# Altium PCB MDQARM - копия.PcbDoc (part 1 of 2) (continued)
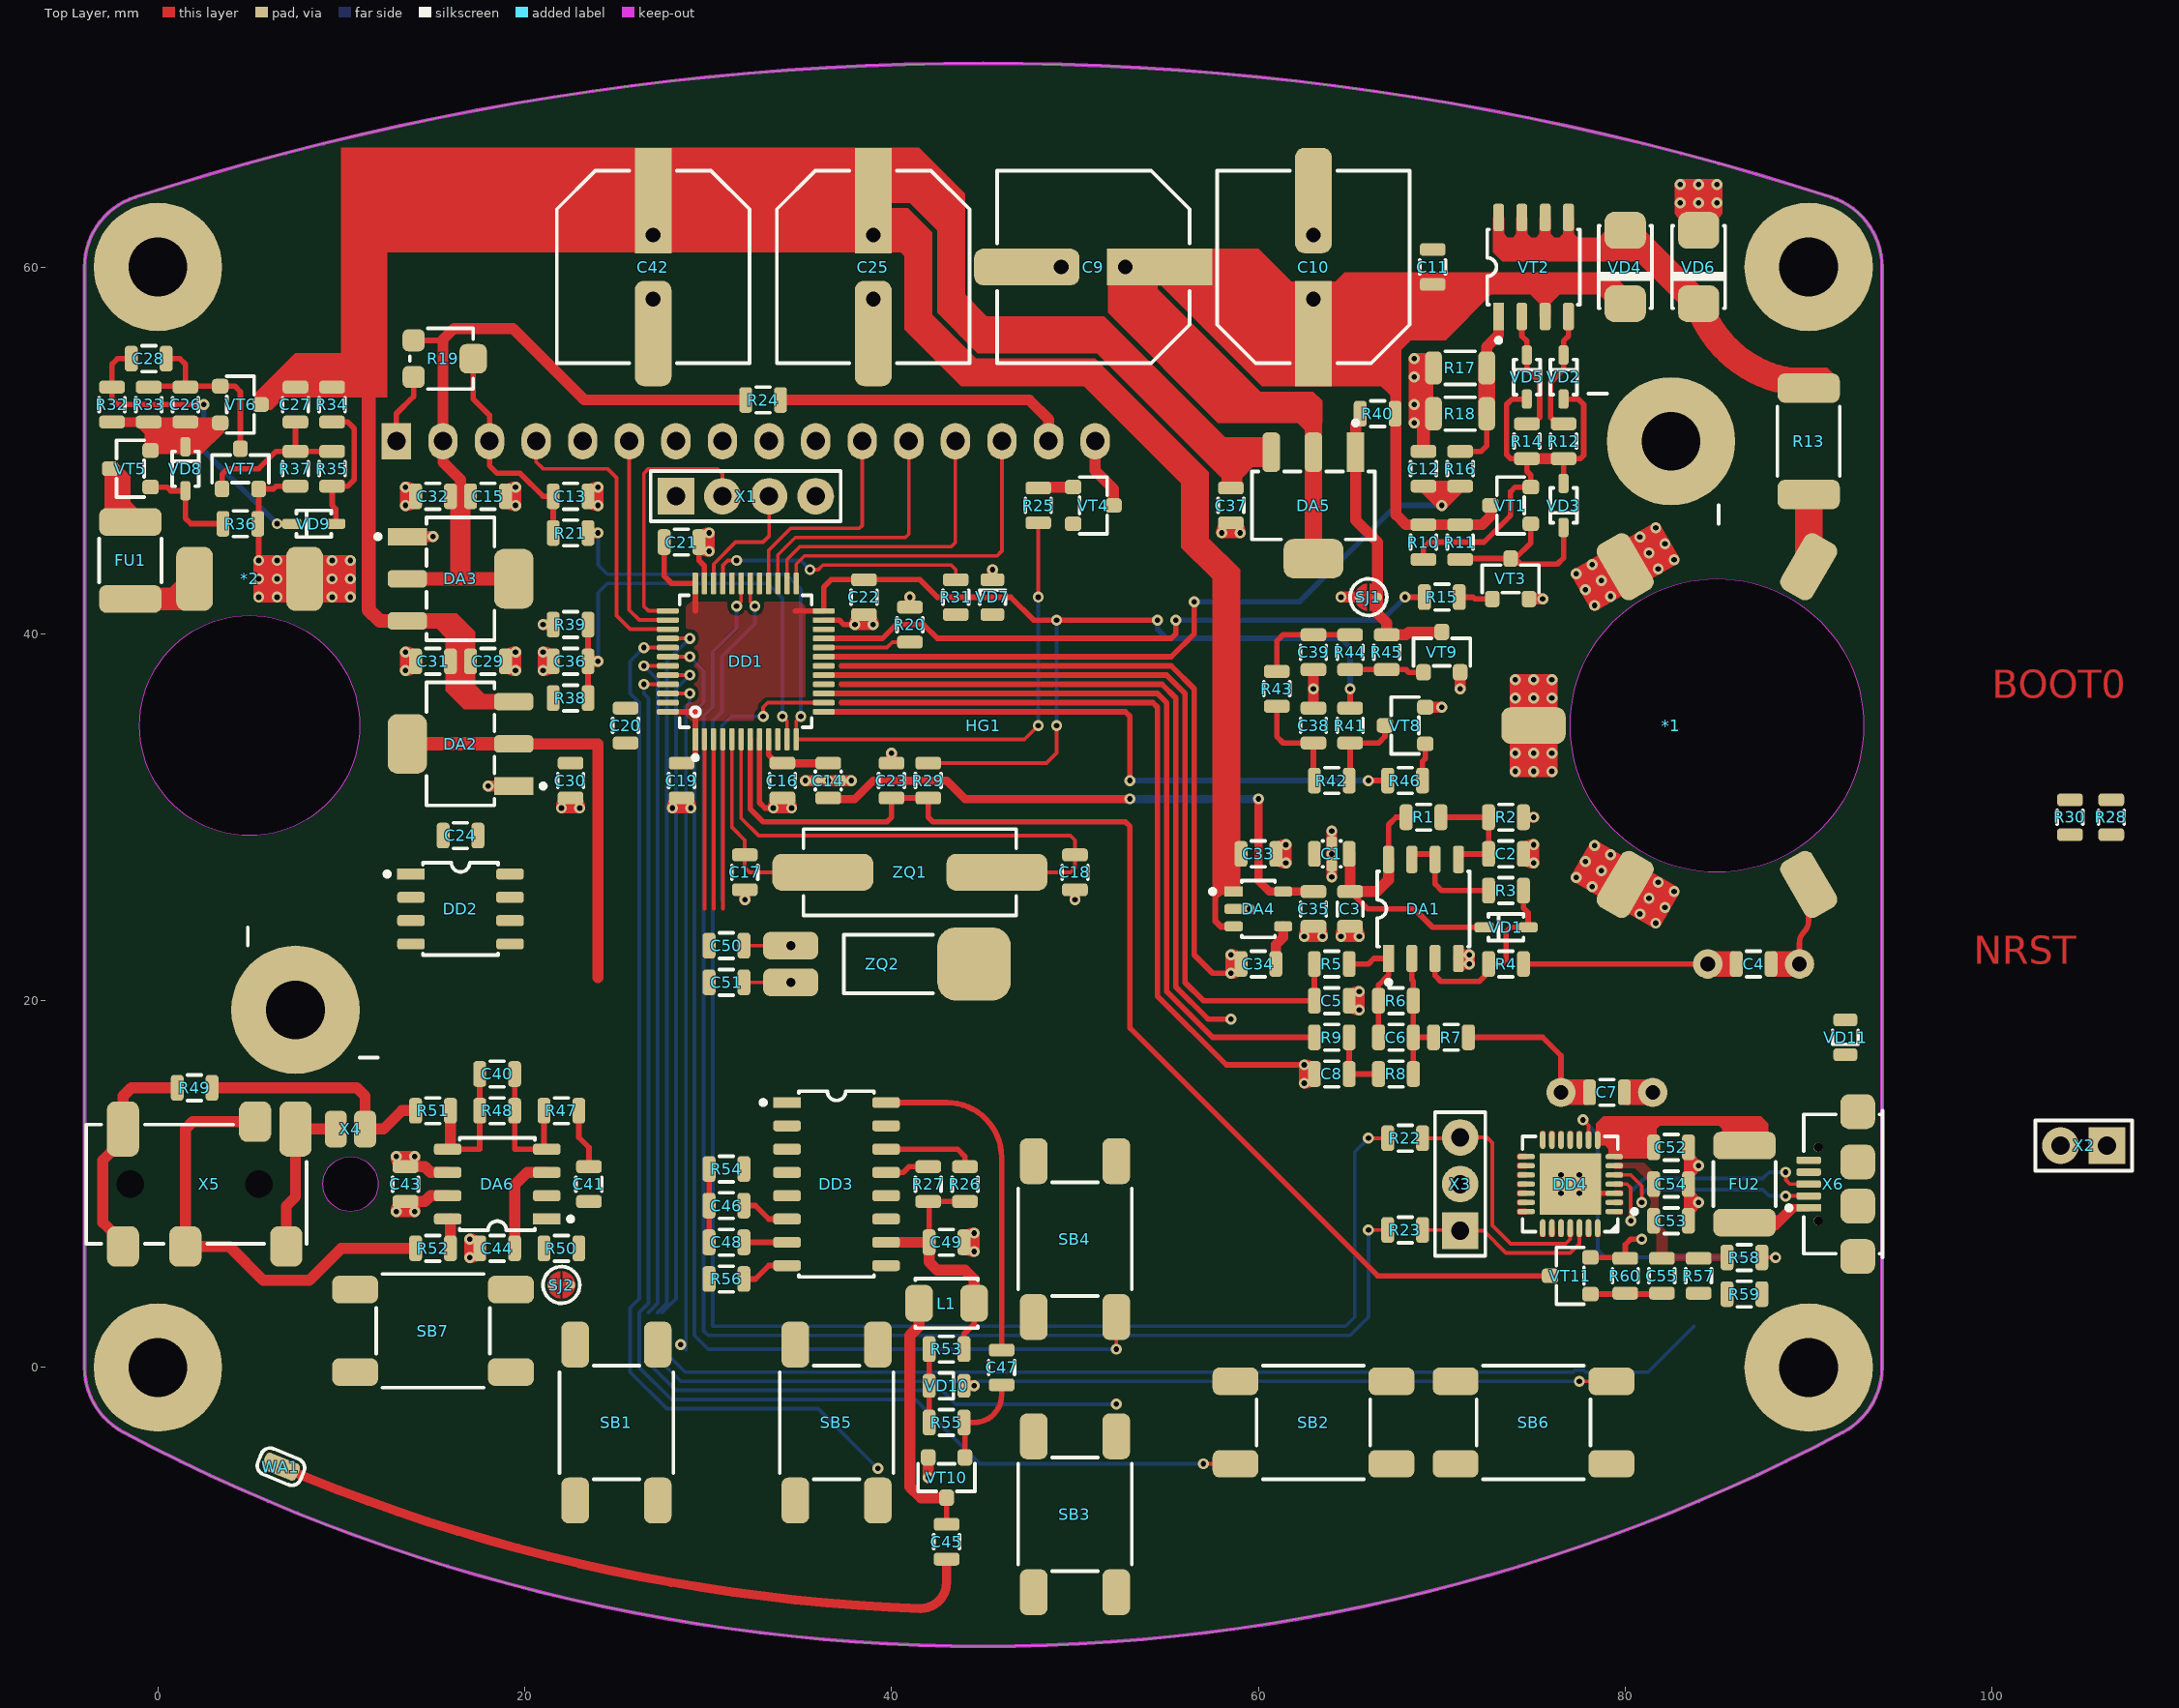
[diagram p0: Top Layer view]
## Components (designator, comment, footprint, x,y, rotation, side; value= is the part's Value field where it differs from the comment) (continued)
R15 "1к" "Resistor SMD0805" 70,42 r180 top
R16 "10к" "Resistor SMD0805" 71,49 r270 top
R17 "1" "Resistor SMD1206" 71,54.5 r0 top
R18 "1" "Resistor SMD1206" 71,52 r0 top
R19 "10к" "Resistor 3303X-3" 15.54,55 r270 top
R20 "10к" "Resistor SMD0805" 41,40.5 r90 top
R21 "1к" "Resistor SMD0805" 22.5,45.5 r180 top
R22 "100" "Resistor SMD0805" 68,12.5 r180 top
R23 "100" "Resistor SMD0805" 68,7.5 r180 top
R24 "100" "Resistor SMD0805" 33,52.75 r180 top
R25 "1к" "Resistor SMD0805" 48,47 r270 top
R26 "4,7к" "Resistor SMD0805" 44,10 r270 top
R27 "4,7к" "Resistor SMD0805" 42,10 r270 top
R28 "1к" "Resistor SMD0805" 106.5,30 r90 top
R29 "10к" "Resistor SMD0805" 42,32 r90 top
R30 "10к" "Resistor SMD0805" 104.25,30 r90 top
R31 "1к" "Resistor SMD0805" 43.5,42 r270 top
R32 "10к" "Resistor SMD0805" -2.5,52.5 r270 top
R33 "100к" "Resistor SMD0805" -0.5,52.5 r270 top
R34 "100к" "Resistor SMD0805" 9.5,52.5 r90 top
R35 "330k" "Resistor SMD0805" 9.5,49 r270 top value=330к
R36 "10к" "Resistor SMD0805" 4.5,46 r180 top
R37 "220к" "Resistor SMD0805" 7.5,49 r270 top
R38 "18к" "Resistor SMD0805" 22.5,36.5 r180 top
R39 "3,3к" "Resistor SMD0805" 22.5,40.5 r0 top
R40 "150" "Resistor SMD0805" 66.5,52 r180 top
R41 "1к" "Resistor SMD0805" 65,35 r270 top
R42 "10к" "Resistor SMD0805" 64,32 r180 top
R43 "10к" "Resistor SMD0805" 61,37 r90 top
R44 "220к" "Resistor SMD0805" 65,39 r270 top
R45 "470k" "Resistor SMD0805" 67,39 r90 top value=470к
R46 "1к" "Resistor SMD0805" 68,32 r0 top
R47 "10к" "Resistor SMD0805" 22,14 r180 top
R48 "33к" "Resistor SMD0805" 18.5,14 r180 top
R49 "270" "Resistor SMD0805" 2,15.25 r0 top
R50 "1к" "Resistor SMD0805" 22,6.5 r180 top
R51 "2" "Resistor SMD0805" 15,14 r180 top
R52 "2" "Resistor SMD0805" 15,6.5 r180 top
R53 "4,7к" "Resistor SMD0805" 43,1 r180 top
R54 "10к" "Resistor SMD0805" 31,10.825 r0 top
R55 "47к" "Resistor SMD0805" 43,-3 r180 top
R56 "1к" "Resistor SMD0805" 31,4.825 r0 top
R57 "1к" "Resistor SMD0805" 84,5 r90 top
R58 "1к" "Resistor SMD0805" 86.5,6 r180 top
R59 "1к" "Resistor SMD0805" 86.5,4 r0 top
R60 "100к" "Resistor SMD0805" 80,5 r270 top
SB1 "KLS7-TS6604-4.3-180" "Button KLS7-TS6604-4.3-180" 25,-3 r90 top
SB2 "KLS7-TS6604-4.3-180" "Button KLS7-TS6604-4.3-180" 63,-3 r180 top
SB3 "KLS7-TS6604-4.3-180" "Button KLS7-TS6604-4.3-180" 50,-8 r90 top
SB4 "KLS7-TS6604-4.3-180" "Button KLS7-TS6604-4.3-180" 50,7 r270 top
SB5 "KLS7-TS6604-4.3-180" "Button KLS7-TS6604-4.3-180" 37,-3 r270 top
SB6 "KLS7-TS6604-4.3-180" "Button KLS7-TS6604-4.3-180" 75,-3 r0 top
SB7 "KLS7-TS6604-4.3-180" "Button KLS7-TS6604-4.3-180" 15,2 r0 top
SJ1 "SolderJump 1" "SolderJump 1" 66,42 r0 top
SJ2 "SolderJump 1" "SolderJump 1" 22,4.5 r0 top
VD1 "1N4148WS" "Diode SOD-323" 73.5,24 r180 top
VD2 "1N4148WS" "Diode SOD-323" 76.635,54 r90 top
VD3 "1N4148WS" "Diode SOD-323" 76.635,47 r270 top
VD4 "ES1J" "Diode SMA" 80,60 r270 top
VD5 "1N4148WS" "Diode SOD-323" 74.635,54 r90 top
VD6 "ES1J" "Diode SMA" 84,60 r270 top
VD7 "RED" "Diode SMD0805" 45.5,42 r90 top
VD8 "1N4148WS" "Diode SOD-323" 1.5,49 r90 top
VD9 "BAT54WS" "Diode SOD-323" 8.5,46 r180 top
VD10 "RED" "Diode SMD0805" 43,-1 r0 top
VD11 "GREEN" "Diode SMD0805" 92,18 r270 top
VT1 "BC847B" "Transistor SOT23" 73.75,47 r90 top
VT2 "IRF7105PBF" "Transisror IRF7105" 75,60 r90 top value=IRF7105BPF
VT3 "BC847B" "Transistor SOT23" 73.75,43 r0 top
VT4 "BC847B" "Transistor SOT23" 51,47 r270 top
VT5 "IRLML6402TRPBF" "Transistor SOT23" -1.5,49 r90 top
VT6 "IRLML6402TRPBF" "Transistor SOT23" 4.5,52.5 r270 top
VT7 "IRLML2502TRPBF" "Transistor SOT23" 4.5,49 r0 top
VT8 "BC847B" "Transistor SOT23" 68,35 r90 top
VT9 "2N7002" "Transistor SOT23" 70,39 r0 top
VT10 "2SC3356" "Transistor SOT23" 43,-6 r180 top
VT11 "IRLML2502TRPBF" "Transistor SOT23" 77,5 r90 top
WA1 "Antenna 1" "Antenna 1" 6.708,-5.409 r337.59 top
X1 "PLS-4" "Connector PLS-4" 32.05,47.5 r0 top
X2 "PLS-2" "Connector PLS-2" 105,12.1 r180 top
X3 "PLS-3" "Connector PLS-3" 71,10 r90 top
X4 "Connector SPEAKER_1" "Connector SPEAKER" 10.5,10 r0 top
X5 "PJ-311D" "Connector PJ-311D" -1.5,10 r0 top
X6 "KLS1-233-0-0-1-T" "Connector KLS1-233-0-0-1-T" 92.675,10 r90 top
ZQ1 "8 МГц" "Quartz HC-49SM" 41,27 r0 top value=HC-49SM-8MHz
ZQ2 "32768 Гц" "Quartz DT-38T-32768Hz" 41.5,22 r180 top value=DT-38T-32768Hz

## Footprints (in the part's own frame and the unit in brackets; to place one, negate y for a bottom-side part, rotate by r counter-clockwise, add the part's x,y. Pads: shape width x height; smd on the part's side, far side on the other; paste and mask are expansions set on the pad)
"Antenna 1" [mm]
  rrect50% 2x1 smd mask+0.075: 1(0,0)
  silkscreen extent -1.25,-0.75 1.25,0.75
"Button KLS7-TS6604-4.3-180" [mm]
  rrect50% 2.5x1.5 smd mask+0.075: 1(-4.25,-2.25) 2(4.25,-2.25) 3(4.25,2.25) 4(-4.25,2.25)
  silkscreen extent -3.1,-3.1 3.1,3.1, body extent -4.5,-3 4.5,3, height 4.3
"Capacitor ECAP SMD10x10.5" [mm]
  rect 5x2 smd mask+0.075: 1(-4,0)
  rect 2x2 hole 0.8 mask+0.075: 1(-1.75,0)
  rrect50% 2x2 hole 0.8 mask+0.075: 2(1.75,0)
  rrect50% 5x2 smd mask+0.075: 2(4,0)
  silkscreen extent -5.25,-5.25 5.25,5.25, body extent -6,-5.25 6,5.25, height 10.5
"Capacitor SMD0805-T0.75" [mm]
  rrect50% 0.7x1.4 smd mask+0.075: 1(-0.95,0) 2(0.95,0)
  silkscreen extent -0.38,-0.7 0.38,0.7, body extent -1.05,-0.67 1.05,0.68, height 0.75
"Capacitor SMD0805-T0.95" [mm]
  rrect50% 0.7x1.4 smd mask+0.075: 1(-0.95,0) 2(0.95,0)
  silkscreen extent -0.38,-0.7 0.38,0.7, body extent -1.05,-0.67 1.05,0.68, height 0.95
"Capacitor SMD0805-T1.35" [mm]
  rrect50% 0.7x1.4 smd mask+0.075: 1(-0.95,0) 2(0.95,0)
  silkscreen extent -0.38,-0.7 0.38,0.7, body extent -1.05,-0.67 1.05,0.68, height 1.35
"Capacitor SMD0805_5mm" [mm]
  round 1.6 hole 0.8 mask+0.075: 1(-2.5,0) 2(2.5,0)
  rrect50% 0.7x1.4 smd mask+0.075: 1(-0.95,0) 2(0.95,0)
  Top Layer region: 2.5,0.7 1,0.7 1,-0.7 2.5,-0.7
  Top Layer region: -2.5,-0.7 -1,-0.7 -1,0.7 -2.5,0.7
  silkscreen extent -0.38,-0.7 0.38,0.7, body extent -3.65,-7.2 3.65,0.25, height 2.5
"Connector KLS1-233-0-0-1-T" [mm]
  rect 0.4x1.35 smd mask+0.075: 1(-1.3,2.675)
  rrect50% 0.4x1.35 smd mask+0.075: 2(-0.65,2.675) 3(0,2.675) 4(0.65,2.675) 5(1.3,2.675)
  rrect50% 1.9x1.9 smd mask+0.075: EP(-3.95,0) EP(-1.2,0) EP(1.2,0) EP(3.95,0)
  round 0.5 hole 0.5 unplated mask+0.075: MH(-2,2.15) MH(2,2.15)
  silkscreen extent -4,-1.35 4,3.87, body extent -3.99,-2.58 3.99,2.85, height 2.73
"Connector MD_COIL" [mm]
  rrect50% 3.5x2 smd rot 120 mask+0.075: 1(5,-8.66) 4(-5,8.66)
  rrect50% 3.5x2 smd rot 60 mask+0.075: 2(-5,-8.66) 5(5,8.66)
  rrect50% 3.5x2 smd mask+0.075: 3(-10,0)
  Keep-Out Layer board cut-out: 0,8 3.061,7.391 5.657,5.657 7.391,3.061 8,0 8,0 7.391,-3.061 5.657,-5.657 3.061,-7.391 0,-8 0,-8 -3.061,-7.391 -5.657,-5.657 -7.391,-3.061 -8,0 -8,0 -7.391,3.061 -5.657,5.657 -3.061,7.391 0,8
"Connector MD_POWER" [mm]
  rrect50% 2x3.5 smd mask+0.075: 1(-3,8) 2(3,8)
  Keep-Out Layer board cut-out: 0,6 2.296,5.543 4.243,4.243 5.543,2.296 6,0 6,0 5.543,-2.296 4.243,-4.243 2.296,-5.543 0,-6 0,-6 -2.296,-5.543 -4.243,-4.243 -5.543,-2.296 -6,0 -6,0 -5.543,2.296 -4.243,4.243 -2.296,5.543 0,6
"Connector PJ-311D" [mm]
  rrect50% 1.75x2.2 smd mask+0.075: 1(-0.4,-3.4) 3(3,-3.4) 4(6.8,3.4) 6(8.5,-3.4)
  rrect50% 1.75x3 smd mask+0.075: 2(-0.4,3) 5(9,3)
  rrect50% 0.5x0.5 hole 1.5 unplated mask+0.075: MH(0,0) MH(7,0)
  silkscreen extent -2.4,-3.25 9.6,3.25, body extent -4.5,-4.15 9.5,4.15, height 4.92
"Connector PLS-2" [mm]
  rect 2x2 hole 1 mask+0.075: 1(-1.27,0)
  round 2 hole 1 mask+0.075: 2(1.27,0)
  silkscreen extent -2.64,-1.37 2.64,1.37, body extent -2.54,-1.27 2.54,1.27, height 8.6
"Connector PLS-3" [mm]
  rect 2x2 hole 1 mask+0.075: 1(-2.54,0)
  round 2 hole 1 mask+0.075: 2(0,0) 3(2.54,0)
  silkscreen extent -3.91,-1.37 3.91,1.37, body extent -3.81,-1.27 3.81,1.27, height 8.6
"Connector PLS-4" [mm]
  rect 2x2 hole 1 mask+0.075: 1(-3.81,0)
  round 2 hole 1 mask+0.075: 2(-1.27,0) 3(1.27,0) 4(3.81,0)
  silkscreen extent -5.18,-1.37 5.18,1.37, body extent -5.08,-1.27 5.08,1.27, height 8.6
"Connector SPEAKER" [mm]
  rrect50% 1.2x2 smd mask+0.075: 1(-0.8,3) 2(0.8,3)
  Keep-Out Layer board cut-out: 0,1.5 0.574,1.386 1.061,1.061 1.386,0.574 1.5,0 1.5,0 1.386,-0.574 1.061,-1.061 0.574,-1.386 0,-1.5 0,-1.5 -0.574,-1.386 -1.061,-1.061 -1.386,-0.574 -1.5,0 -1.5,0 -1.386,0.574 -1.061,1.061 -0.574,1.386 0,1.5
"Diode SMA" [mm]
  rrect50% 2x2.25 smd mask+0.075: 1(-2,0) 2(2,0)
  silkscreen extent -2.25,-1.45 2.25,1.45, body extent -2.8,-1.48 2.8,1.47, height 2.9
"Diode SMD0805" [mm]
  rrect50% 0.7x1.3 smd mask+0.075: 1(-0.95,0) 2(0.95,0)
  silkscreen extent -0.38,-0.7 0.38,0.7, body extent -1.05,-0.67 1.05,0.68, height 1.1
"Diode SOD-323" [mm]
  rrect50% 1.05x0.55 smd mask+0.075: 1(-1.2,0) 2(1.2,0)
  silkscreen extent -0.95,-0.72 0.95,0.72, body extent -1.35,-0.72 1.35,0.73, height 1.1
"Filter NFM21PC" [mm]
  rrect50% 0.7x1.4 smd mask+0.075: 1(-0.95,0) 3(0.95,0)
  rrect50% 0.6x0.65 smd mask+0.075: 2(0,0.625) 2(0,-0.625)
  silkscreen extent -0.51,-0.7 0.51,0.7, body extent -1.01,-0.64 1.01,0.64, height 0.87
"Fuse MF-NSMF" [mm]
  rrect50% 1.5x3.4 smd mask+0.075: 1(-2.1,0) 2(2.1,0)
  silkscreen extent -1.2,-1.7 1.2,1.7, body extent -2.36,-1.7 2.37,1.71, height 0.85
"IC AD8606ARZ" [mm]
  rect 1.5x0.6 smd mask+0.075: 1(-2.7,1.905)
  rrect50% 1.5x0.6 smd mask+0.075: 2(-2.7,0.635) 3(-2.7,-0.635) 4(-2.7,-1.905) 5(2.7,-1.905) 6(2.7,-0.635) 7(2.7,0.635) 8(2.7,1.905)
  silkscreen extent -4.12,-2.52 2.05,2.52, body extent -3.1,-2.5 3.1,2.5, height 1.75
"IC AT24C08C" [mm]
  rect 1.5x0.6 smd mask+0.075: 1(-2.7,1.905)
  rrect50% 1.5x0.6 smd mask+0.075: 2(-2.7,0.635) 3(-2.7,-0.635) 4(-2.7,-1.905) 5(2.7,-1.905) 6(2.7,-0.635) 7(2.7,0.635) 8(2.7,1.905)
  silkscreen extent -4.12,-2.52 2.05,2.52, body extent -3.1,-2.5 3.1,2.5, height 1.75
"IC CP2102-GMR" [mm]
  oval 0.97x0.3 smd mask+0.075: 1(-2.4,1.5) 2(-2.4,1) 3(-2.4,0.5) 4(-2.4,0) 5(-2.4,-0.5) 6(-2.4,-1) 7(-2.4,-1.5) 15(2.4,-1.5) 16(2.4,-1) 17(2.4,-0.5) 18(2.4,0) 19(2.4,0.5) 20(2.4,1) 21(2.4,1.5)
  oval 0.3x0.97 smd mask+0.075: 8(-1.5,-2.4) 9(-1,-2.4) 10(-0.5,-2.4) 11(0,-2.4) 12(0.5,-2.4) 13(1,-2.4) 14(1.5,-2.4) 22(1.5,2.4) 23(1,2.4) 24(0.5,2.4) 25(0,2.4) 26(-0.5,2.4) 27(-1,2.4) 28(-1.5,2.4)
  rect 3.35x3.35 smd mask+0.075: EP(0,0)
  Top Layer region: -2.885,1.35 -2.4,1.35 -2.4,1.65 -2.885,1.65
  Top Layer region: -2.4,1.15 -2.81,1.15 -2.839,1.144 -2.863,1.128 -2.879,1.104 -2.885,1.075 -2.885,1.075 -2.885,0.925 -2.879,0.896 -2.863,0.872 -2.839,0.856 -2.81,0.85 -2.81,0.85 -2.4,0.85
  Top Layer region: -2.4,0.65 -2.81,0.65 -2.839,0.644 -2.863,0.628 -2.879,0.604 -2.885,0.575 -2.885,0.575 -2.885,0.425 -2.879,0.396 -2.863,0.372 -2.839,0.356 -2.81,0.35 -2.81,0.35 -2.4,0.35
  Top Layer region: -2.4,0.15 -2.81,0.15 -2.839,0.144 -2.863,0.128 -2.879,0.104 -2.885,0.075 -2.885,0.075 -2.885,-0.075 -2.879,-0.104 -2.863,-0.128 -2.839,-0.144 -2.81,-0.15 -2.81,-0.15 -2.4,-0.15
  Top Layer region: -2.4,-0.35 -2.81,-0.35 -2.839,-0.356 -2.863,-0.372 -2.879,-0.396 -2.885,-0.425 -2.885,-0.425 -2.885,-0.575 -2.879,-0.604 -2.863,-0.628 -2.839,-0.644 -2.81,-0.65 -2.81,-0.65 -2.4,-0.65
  Top Layer region: -2.4,-0.85 -2.81,-0.85 -2.839,-0.856 -2.863,-0.872 -2.879,-0.896 -2.885,-0.925 -2.885,-0.925 -2.885,-1.075 -2.879,-1.104 -2.863,-1.128 -2.839,-1.144 -2.81,-1.15 -2.81,-1.15 -2.4,-1.15
  Top Layer region: -2.4,-1.35 -2.81,-1.35 -2.839,-1.356 -2.863,-1.372 -2.879,-1.396 -2.885,-1.425 -2.885,-1.425 -2.885,-1.575 -2.879,-1.604 -2.863,-1.628 -2.839,-1.644 -2.81,-1.65 -2.81,-1.65 -2.4,-1.65
  Top Layer region: -1.65,-2.4 -1.65,-2.81 -1.644,-2.839 -1.628,-2.863 -1.604,-2.879 -1.575,-2.885 -1.575,-2.885 -1.425,-2.885 -1.396,-2.879 -1.372,-2.863 -1.356,-2.839 -1.35,-2.81 -1.35,-2.81 -1.35,-2.4
  Top Layer region: -1.15,-2.4 -1.15,-2.81 -1.144,-2.839 -1.128,-2.863 -1.104,-2.879 -1.075,-2.885 -1.075,-2.885 -0.925,-2.885 -0.896,-2.879 -0.872,-2.863 -0.856,-2.839 -0.85,-2.81 -0.85,-2.81 -0.85,-2.4
  Top Layer region: -0.65,-2.4 -0.65,-2.81 -0.644,-2.839 -0.628,-2.863 -0.604,-2.879 -0.575,-2.885 -0.575,-2.885 -0.425,-2.885 -0.396,-2.879 -0.372,-2.863 -0.356,-2.839 -0.35,-2.81 -0.35,-2.81 -0.35,-2.4
  Top Layer region: -0.15,-2.4 -0.15,-2.81 -0.144,-2.839 -0.128,-2.863 -0.104,-2.879 -0.075,-2.885 -0.075,-2.885 0.075,-2.885 0.104,-2.879 0.128,-2.863 0.144,-2.839 0.15,-2.81 0.15,-2.81 0.15,-2.4
  Top Layer region: 0.35,-2.4 0.35,-2.81 0.356,-2.839 0.372,-2.863 0.396,-2.879 0.425,-2.885 0.425,-2.885 0.575,-2.885 0.604,-2.879 0.628,-2.863 0.644,-2.839 0.65,-2.81 0.65,-2.81 0.65,-2.4
  Top Layer region: 0.85,-2.4 0.85,-2.81 0.856,-2.839 0.872,-2.863 0.896,-2.879 0.925,-2.885 0.925,-2.885 1.075,-2.885 1.104,-2.879 1.128,-2.863 1.144,-2.839 1.15,-2.81 1.15,-2.81 1.15,-2.4
  Top Layer region: 1.35,-2.4 1.35,-2.81 1.356,-2.839 1.372,-2.863 1.396,-2.879 1.425,-2.885 1.425,-2.885 1.575,-2.885 1.604,-2.879 1.628,-2.863 1.644,-2.839 1.65,-2.81 1.65,-2.81 1.65,-2.4
  Top Layer region: 2.4,-1.65 2.81,-1.65 2.839,-1.644 2.863,-1.628 2.879,-1.604 2.885,-1.575 2.885,-1.575 2.885,-1.425 2.879,-1.396 2.863,-1.372 2.839,-1.356 2.81,-1.35 2.81,-1.35 2.4,-1.35
  Top Layer region: 2.4,-1.15 2.81,-1.15 2.839,-1.144 2.863,-1.128 2.879,-1.104 2.885,-1.075 2.885,-1.075 2.885,-0.925 2.879,-0.896 2.863,-0.872 2.839,-0.856 2.81,-0.85 2.81,-0.85 2.4,-0.85
  Top Layer region: 2.4,-0.65 2.81,-0.65 2.839,-0.644 2.863,-0.628 2.879,-0.604 2.885,-0.575 2.885,-0.575 2.885,-0.425 2.879,-0.396 2.863,-0.372 2.839,-0.356 2.81,-0.35 2.81,-0.35 2.4,-0.35
  Top Layer region: 2.4,-0.15 2.81,-0.15 2.839,-0.144 2.863,-0.128 2.879,-0.104 2.885,-0.075 2.885,-0.075 2.885,0.075 2.879,0.104 2.863,0.128 2.839,0.144 2.81,0.15 2.81,0.15 2.4,0.15
  Top Layer region: 2.4,0.35 2.81,0.35 2.839,0.356 2.863,0.372 2.879,0.396 2.885,0.425 2.885,0.425 2.885,0.575 2.879,0.604 2.863,0.628 2.839,0.644 2.81,0.65 2.81,0.65 2.4,0.65
  Top Layer region: 2.4,0.85 2.81,0.85 2.839,0.856 2.863,0.872 2.879,0.896 2.885,0.925 2.885,0.925 2.885,1.075 2.879,1.104 2.863,1.128 2.839,1.144 2.81,1.15 2.81,1.15 2.4,1.15
  Top Layer region: 2.4,1.35 2.81,1.35 2.839,1.356 2.863,1.372 2.879,1.396 2.885,1.425 2.885,1.425 2.885,1.575 2.879,1.604 2.863,1.628 2.839,1.644 2.81,1.65 2.81,1.65 2.4,1.65
  Top Layer region: 1.65,2.4 1.65,2.81 1.644,2.839 1.628,2.863 1.604,2.879 1.575,2.885 1.575,2.885 1.425,2.885 1.396,2.879 1.372,2.863 1.356,2.839 1.35,2.81 1.35,2.81 1.35,2.4
  Top Layer region: 1.15,2.4 1.15,2.81 1.144,2.839 1.128,2.863 1.104,2.879 1.075,2.885 1.075,2.885 0.925,2.885 0.896,2.879 0.872,2.863 0.856,2.839 0.85,2.81 0.85,2.81 0.85,2.4
  Top Layer region: 0.65,2.4 0.65,2.81 0.644,2.839 0.628,2.863 0.604,2.879 0.575,2.885 0.575,2.885 0.425,2.885 0.396,2.879 0.372,2.863 0.356,2.839 0.35,2.81 0.35,2.81 0.35,2.4
  Top Layer region: 0.15,2.4 0.15,2.81 0.144,2.839 0.128,2.863 0.104,2.879 0.075,2.885 0.075,2.885 -0.075,2.885 -0.104,2.879 -0.128,2.863 -0.144,2.839 -0.15,2.81 -0.15,2.81 -0.15,2.4
  Top Layer region: -0.35,2.4 -0.35,2.81 -0.356,2.839 -0.372,2.863 -0.396,2.879 -0.425,2.885 -0.425,2.885 -0.575,2.885 -0.604,2.879 -0.628,2.863 -0.644,2.839 -0.65,2.81 -0.65,2.81 -0.65,2.4
  Top Layer region: -0.85,2.4 -0.85,2.81 -0.856,2.839 -0.872,2.863 -0.896,2.879 -0.925,2.885 -0.925,2.885 -1.075,2.885 -1.104,2.879 -1.128,2.863 -1.144,2.839 -1.15,2.81 -1.15,2.81 -1.15,2.4
  Top Layer region: -1.35,2.4 -1.35,2.81 -1.356,2.839 -1.372,2.863 -1.396,2.879 -1.425,2.885 -1.425,2.885 -1.575,2.885 -1.604,2.879 -1.628,2.863 -1.644,2.839 -1.65,2.81 -1.65,2.81 -1.65,2.4
  silkscreen extent -3.63,-2.6 2.6,2.6, body extent -2.6,-2.6 2.6,2.6, height 0.95
"IC KT0803L" [mm]
  rect 1.5x0.6 smd mask+0.075: 1(-2.7,4.445)
  rrect50% 1.5x0.6 smd mask+0.075: 2(-2.7,3.175) 3(-2.7,1.905) 4(-2.7,0.635) 5(-2.7,-0.635) 6(-2.7,-1.905) 7(-2.7,-3.175) 8(-2.7,-4.445) 9(2.7,-4.445) 10(2.7,-3.175) 11(2.7,-1.905) 12(2.7,-0.635) 13(2.7,0.635) 14(2.7,1.905) 15(2.7,3.175) 16(2.7,4.445)
  silkscreen extent -4.12,-5.06 2.05,5.06, body extent -3.1,-5 3.1,5, height 1.75
"IC LD1117S33" [mm]
  rect 0.95x2.15 smd mask+0.075: 1(-2.3,-2.9)
  rrect50% 0.95x2.15 smd mask+0.075: 2(0,-2.9) 3(2.3,-2.9)
  rrect50% 3.25x2.15 smd mask+0.075: 4(0,2.9)
  silkscreen extent -3.35,-4.63 3.35,1.85, body extent -3.35,-3.65 3.35,3.65, height 1.8
"IC LD1117S50" [mm]
  rect 0.95x2.15 smd mask+0.075: 1(-2.3,-2.9)
  rrect50% 0.95x2.15 smd mask+0.075: 2(0,-2.9) 3(2.3,-2.9)
  rrect50% 3.25x2.15 smd mask+0.075: 4(0,2.9)
  silkscreen extent -3.35,-4.62 3.35,1.85, body extent -3.35,-3.65 3.35,3.65, height 1.8
"IC LD1117STR" [mm]
  rect 0.95x2.15 smd mask+0.075: 1(-2.3,-2.9)
  rrect50% 0.95x2.15 smd mask+0.075: 2(0,-2.9) 3(2.3,-2.9)
  rrect50% 3.25x2.15 smd mask+0.075: 4(0,2.9)
  silkscreen extent -3.35,-4.62 3.35,1.85, body extent -3.35,-3.65 3.35,3.65, height 1.8
"IC LP2985-33DBVR" [mm]
  rect 0.55x1 smd mask+0.075: 1(-0.95,-1.35)
  rrect50% 0.55x1 smd mask+0.075: 2(0,-1.35) 3(0.95,-1.35) 4(0.95,1.35) 5(-0.95,1.35)
  silkscreen extent -1.55,-2.62 1.55,0.9, body extent -1.55,-1.6 1.55,1.6, height 1.45
"IC MC34119L" [mm]
  rect 1.5x0.6 smd mask+0.075: 1(-2.7,1.905)
  rrect50% 1.5x0.6 smd mask+0.075: 2(-2.7,0.635) 3(-2.7,-0.635) 4(-2.7,-1.905) 5(2.7,-1.905) 6(2.7,-0.635) 7(2.7,0.635) 8(2.7,1.905)
  silkscreen extent -4.13,-2.52 2.05,2.52, body extent -3.1,-2.5 3.1,2.5, height 1.75
"IC STM32F100C8T6B" [mm]
  rect 0.3x1.2 smd mask+0.05: 1(-2.75,-4.25)
  rrect50% 0.3x1.2 smd mask+0.05: 2(-2.25,-4.25) 3(-1.75,-4.25) 4(-1.25,-4.25) 5(-0.75,-4.25) 6(-0.25,-4.25) 7(0.25,-4.25) 8(0.75,-4.25) 9(1.25,-4.25) 10(1.75,-4.25) 11(2.25,-4.25) 12(2.75,-4.25) 25(2.75,4.25) 26(2.25,4.25) 27(1.75,4.25) 28(1.25,4.25) 29(0.75,4.25) 30(0.25,4.25) 31(-0.25,4.25) 32(-0.75,4.25) 33(-1.25,4.25) 34(-1.75,4.25) 35(-2.25,4.25) 36(-2.75,4.25)
  rrect50% 1.2x0.3 smd mask+0.05: 13(4.25,-2.75) 14(4.25,-2.25) 15(4.25,-1.75) 16(4.25,-1.25) 17(4.25,-0.75) 18(4.25,-0.25) 19(4.25,0.25) 20(4.25,0.75) 21(4.25,1.25) 22(4.25,1.75) 23(4.25,2.25) 24(4.25,2.75) 37(-4.25,2.75) 38(-4.25,2.25) 39(-4.25,1.75) 40(-4.25,1.25) 41(-4.25,0.75) 42(-4.25,0.25) 43(-4.25,-0.25) 44(-4.25,-0.75) 45(-4.25,-1.25) 46(-4.25,-1.75) 47(-4.25,-2.25) 48(-4.25,-2.75)
  silkscreen extent -3.6,-5.37 3.6,3.6, body extent -4.6,-4.6 4.6,4.6, height 1.6
"Indicator WH1602" [mm]
  rect 1.6x2 hole 1 mask+0.075: 1(-32,15.5)
  oval 1.6x2 hole 1 mask+0.075: 2(-29.46,15.5) 3(-26.92,15.5) 4(-24.38,15.5) 5(-21.84,15.5) 6(-19.3,15.5) 7(-16.76,15.5) 8(-14.22,15.5) 9(-11.68,15.5) 10(-9.14,15.5) 11(-6.6,15.5) 12(-4.06,15.5) 13(-1.52,15.5) 14(1.02,15.5) 15(3.56,15.5) 16(6.1,15.5)
  round 7 hole 3.2 mask+0.075: MH(-37.5,-15.5) MH(37.5,15.5)
  silkscreen extent -40.1,-18.1 40.1,18.1, body extent -40,-18 40,18, height 16.6
"Inductor SMD1210" [mm]
  rrect50% 1.5x2 smd mask+0.075: 1(-1.5,0) 2(1.5,0)
  silkscreen extent -1.7,-1.35 1.7,1.35, body extent -1.79,-1.35 1.79,1.35, height 2.4
"Quartz DT-38T-32768Hz" [mm]
  rrect50% 3x1.5 hole 0.5 mask+0.075: 1(7,-1) 2(7,1)
  rrect50% 4x4 smd mask+0.075: 3(-3,0)
  silkscreen extent -0.75,-1.6 4.1,1.6, body extent -4,-1.5 7.15,1.5, height 3
"Quartz HC-49SM" [mm]
  rrect50% 5.5x2 smd mask+0.075: 1(-4.75,0) 2(4.75,0)
  silkscreen extent -5.8,-2.35 5.8,2.35, body extent -6.7,-2.4 6.7,2.4, height 4
"Resistor 3303X-3" [mm]
  rrect50% 1.2x1.2 smd mask+0.075: 1(-1,-1.6) 3(1,-1.6)
  rrect50% 1.6x1.5 smd mask+0.075: 2(0,1.65)
  silkscreen extent -1.65,-1.8 1.65,1.65, body extent -1.55,-1.95 1.55,1.85, height 1.62
"Resistor SMD0805" [mm]
  rrect50% 0.7x1.4 smd mask+0.075: 1(-0.95,0) 2(0.95,0)
  silkscreen extent -0.38,-0.7 0.38,0.7, body extent -1.05,-0.67 1.05,0.68, height 0.6
"Resistor SMD1206" [mm]
  rrect50% 0.9x1.8 smd mask+0.075: 1(-1.45,0) 2(1.45,0)
  silkscreen extent -0.8,-0.9 0.8,0.9, body extent -1.65,-0.85 1.65,0.85, height 0.65
"Resistor SMD2512" [mm]
  rrect50% 1.6x3.4 smd mask+0.075: 1(-2.9,0) 2(2.9,0)
  silkscreen extent -1.9,-1.7 1.9,1.7, body extent -3.2,-1.65 3.2,1.65, height 0.65
"SolderJump 1" [mm]
  round 0.5 smd mask+0.075: 1(-0.5,0) 2(0.5,0)
  Top Layer region: -0.075,-0.746 -0.418,-0.623 -0.662,-0.353 -0.75,0 -0.75,0 -0.662,0.353 -0.418,0.623 -0.075,0.746 -0.075,0.746
  Top Layer region: 0.075,0.746 0.418,0.623 0.662,0.353 0.75,0 0.75,0 0.662,-0.353 0.418,-0.623 0.075,-0.746 0.075,-0.746
  silkscreen extent -1,-1 1,1
"Transisror IRF7105" [mm]
  rrect50% 1.5x0.6 smd mask+0.075: D1(2.7,0.635) D1(2.7,1.905) D2(2.7,-1.905) D2(2.7,-0.635) G1(-2.7,0.635) G2(-2.7,-1.905) S2(-2.7,-0.635)
  rect 1.5x0.6 smd mask+0.075: S1(-2.7,1.905)
  silkscreen extent -4.12,-2.52 2.05,2.52, body extent -3.1,-2.5 3.1,2.5, height 1.75
"Transistor SOT23" [mm]
  rrect50% 0.8x0.9 smd mask+0.075: 1(-1,-1.1) 2(1,-1.1) 3(0,1.1)
  silkscreen extent -1.55,-0.75 1.55,0.75, body extent -1.5,-1.3 1.5,1.3, height 1.1

## Part data
C1 C14: library part "Filter NFM21PC105B1С3D"
C2 C22 C30 C31 C32 C33 C35: library part "Capacitor C0805_10u"
C3 C13 C16 C34: library part "Capacitor C0805_10n"
C4: library part "Capacitor C0805_5mm_100n"
C5 C8 C40: library part "Capacitor C0805_4.7n"
C6: library part "Capacitor C0805_22p"
C7: library part "Capacitor C0805_5mm_33n"
C9 C10: library part "Capacitor ECAP SMD 1000uF_6.3V"
C11 C15 C19 C20 C21 C23 C24 C26 C29 C36 C37 C43 C46 C48 C49 C53: library part "Capacitor C0805_100n"
C12: library part "Capacitor C0805_2.2u"
C17 C18: library part "Capacitor C0805_30p"
C25 C42: library part "Capacitor ECAP SMD 470uF_16V"
C27 C54: library part "Capacitor C0805_4.7u"
C28 C41 C44 C52: library part "Capacitor C0805_1u"
C38 C39: library part "Capacitor C0805_680n"
C45: library part "Capacitor C0805_1n"
C47: library part "Capacitor C0805_10p"
C50 C51: library part "Capacitor C0805_15p"
C55: library part "Capacitor C0805_47n"
DA1: library part "IC AD8606ARZ"
DA2: library part "IC LD1117S33"
DA3: library part "IC LD1117S50"
DA4: library part "IC LP2985-33DBVR"
DA5: library part "IC LD1117STR"
DA6: library part "IC MC34119L"
DD1: library part "IC STM32F100C8T6B"
DD2: library part "IC AT24C08C"
DD3: library part "IC KT0803L"
DD4: library part "IC CP2102-GMR"
FU1: library part "Fuse MF-NSMF050-2"
FU2: library part "Fuse MF-NSMF014-2"
HG1: library part "Indicator WH1602"
L1: library part "Inductance L1210_1uH"
R1 R2: library part "Resistor R0805_10k_1%"
R3: library part "Resistor R0805_2k_1%"
R4: library part "Resistor R0805_100_1%"
R5 R9: library part "Resistor R0805_2k_5%"
R6 R8: library part "Resistor R0805_100k_1%"
R7: library part "Resistor R0805_1.2k_1%"
R10 R33 R34 R60: library part "Resistor R0805_100k_5%"
R11 R16 R20 R29 R30 R32 R36 R42 R43 R47 R54: library part "Resistor R0805_10k_5%"
R12 R14 R15 R21 R25 R28 R31 R41 R46 R50 R56 R57 R58 R59: library part "Resistor R0805_1k_5%"
R13: library part "Resistor R2512_7.5R_5%"
R17 R18: library part "Resistor R1206_1R_5%"
R19: library part "Resistor 3303X-3-103_10k_25%"
R22 R23 R24: library part "Resistor R0805_100_5%"
R26 R27 R53: library part "Resistor R0805_4.7k_5%"
R35: library part "Resistor R0805_330k_5%"
R37 R44: library part "Resistor R0805_220k_5%"
R38: library part "Resistor R0805_18k_5%"
R39: library part "Resistor R0805_3.3k_5%"
R40: library part "Resistor R0805_150_5%"
R45: library part "Resistor R0805_470k_5%"
R48: library part "Resistor R0805_33k_5%"
R49: library part "Resistor R0805_270R_5%"
R51 R52: library part "Resistor R0805_2R_5%"
R55: library part "Resistor R0805_47k_5%"
SB1 SB2 SB3 SB4 SB5 SB6 SB7: library part "Button KLS7-TS6604-4.3-180", "SMD Tact Switch 4.3mm"
VD1 VD2 VD3 VD5 VD8: library part "Diode 1N4148WS", "150mA 100V 4ns"
VD4 VD6: library part "Diode ES1J", "1A 600V 35ns"
VD7 VD10: library part "Diode LED0805RED", "LED Red SMD0805"
VD9: library part "Diode BAT54WS", "200mA 30V Schottky"
VD11: library part "Diode LED0805GREEN", "LED Green SMD0805"
VT1 VT3 VT4 VT8: library part "Transistor BC847B"
VT2: library part "Transistor IRF7105PBF"
VT5 VT6: library part "Transistor IRLML6402TRPBF"
VT7 VT11: library part "Transistor IRLML2502TRPBF"
VT9: library part "Transistor 2N7002"
VT10: library part "Transistor 2SC3356"
X1: library part "Connector SWD", "PLS-4 Connector"
X2: library part "Connector BOOT", "PLS-2 Connector"
X3: library part "Connector UART", "PLS-3 Connector"
X5: library part "Connector PJ-311D", "Audio Jack 3.5mm"
X6: library part "Connector KLS1-233-0-0-1-T", "microUSB Connector"
ZQ1: library part "Quartz HC-49SM-8MHz"
ZQ2: library part "Quartz DT-38T-32768Hz"

## Free pads (board coordinates)
  round 7 hole 3.2 mask+0.075: MH(0,0) MH(0,60) MH(90,0) MH(90,60)

## Via types
v1: diameter 0.6, hole 0.3, Top Layer to Bottom Layer, tented both sides, 183 vias